# Altium PCB ESP32-2-PCB-Layout.PcbDoc
Units mil, origin at the board's own origin, x right, y up, seen from the top; angles counter-clockwise.
Board outline 4000 x 1730 mil, 2 copper layers (Top Layer, Bottom Layer), stack 61.811 mil thick; 25 components, 10 nets, 95 pads, 18 vias.
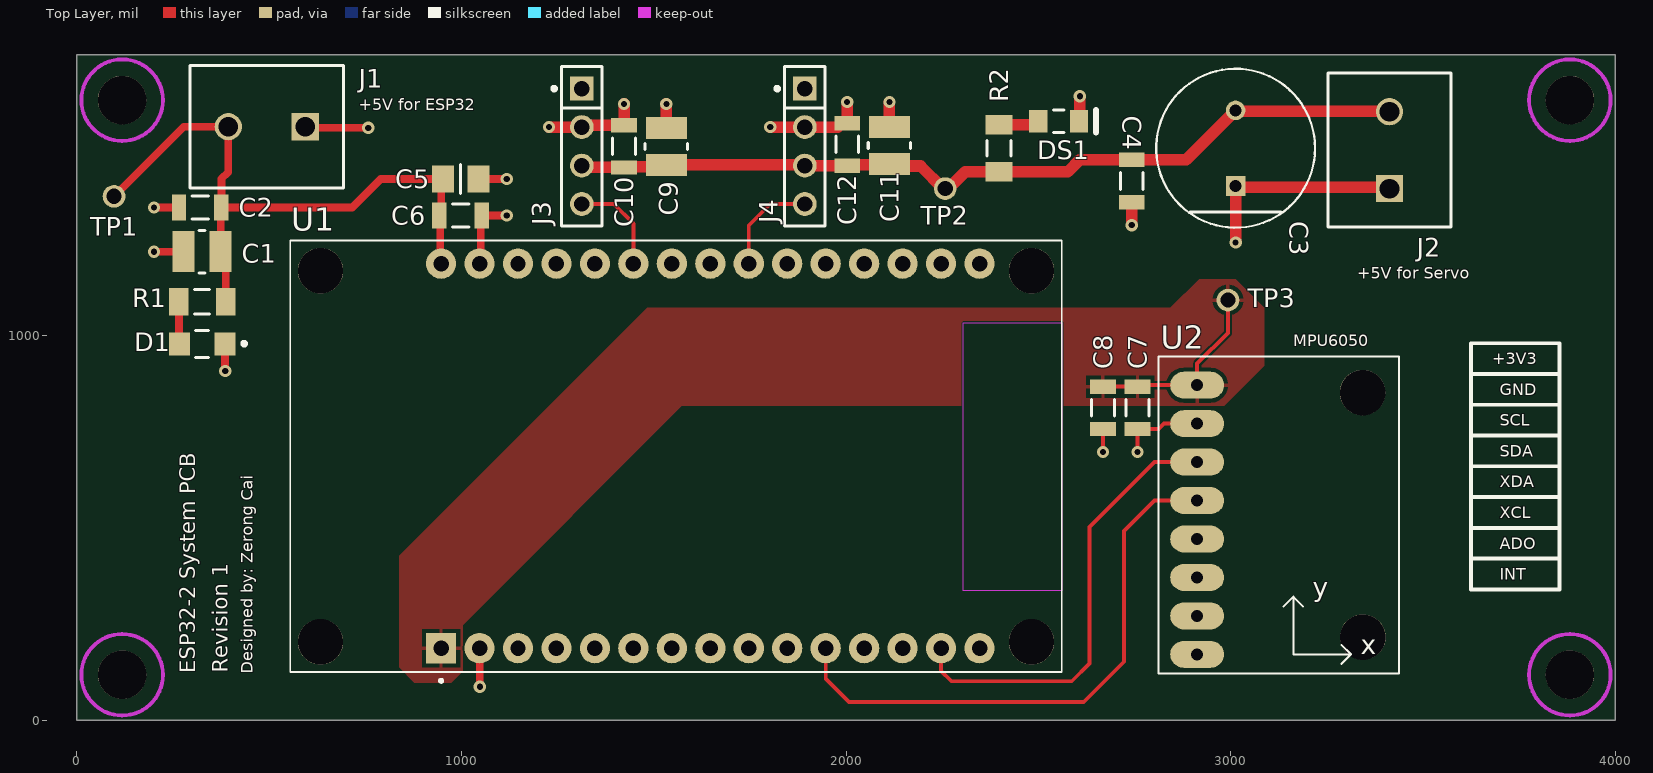
[diagram p0: Top Layer view]
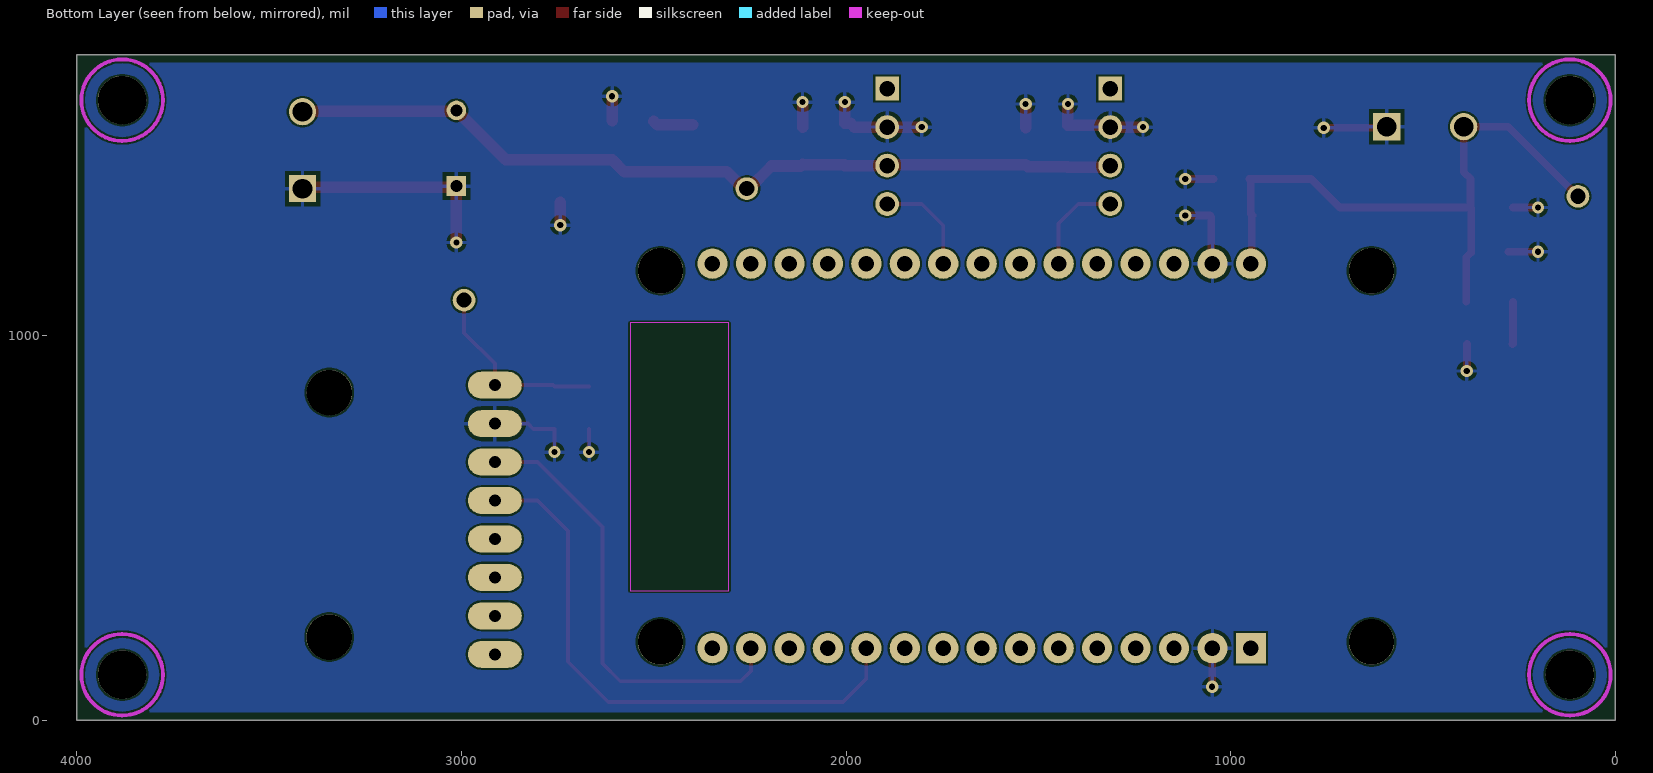
[diagram p1: Bottom Layer view, seen from below]
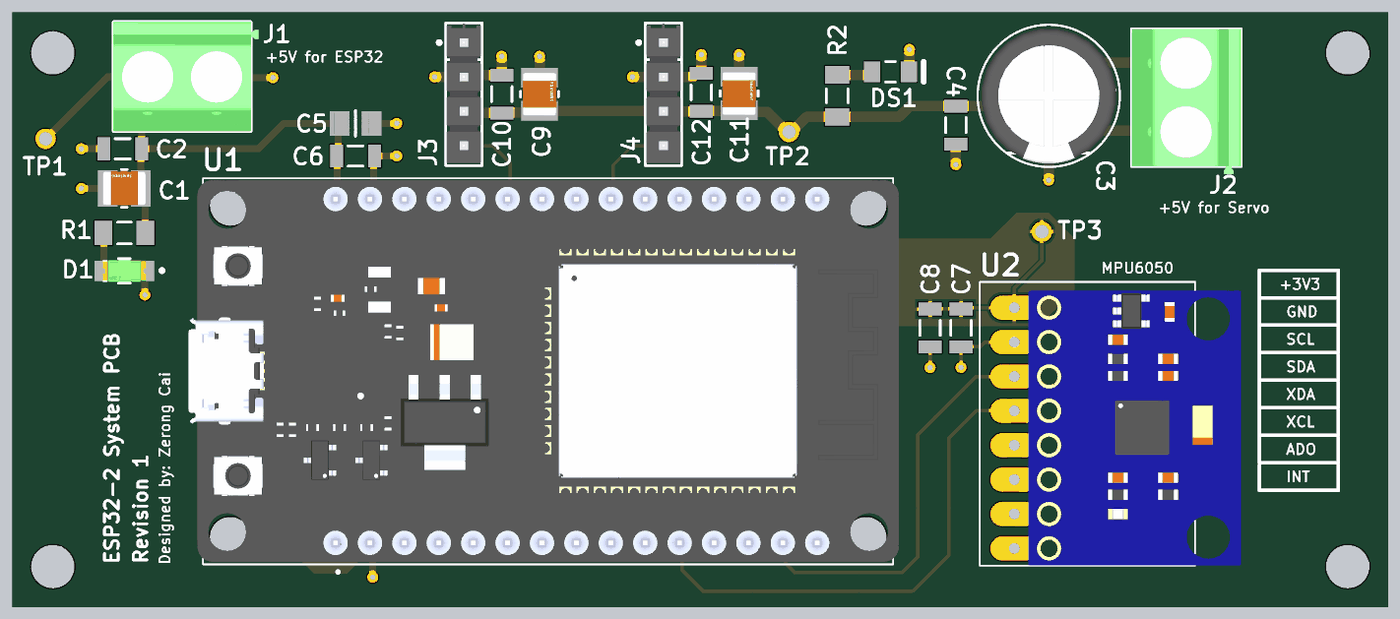
[diagram p2: 3D render of the assembled board from above, using the file's embedded part models]

## Layer stack, top to bottom
Top Solder: solder mask 0.394, Solder Resist, Dk 3.5
Top Layer: signal copper 1.378
Dielectric 1: dielectric 59.055, FR-4, Dk 4.8
Bottom Layer: signal copper 1.378
Bottom Solder: solder mask 0.394, Solder Resist, Dk 3.5

## Board outline
0,0 0,1730 4000,1730 4000,0

## Design rules (kind name [scope] priority, off if disabled: settings)
BoardOutlineClearance [All] p1: gap=20 ignorepadtopadclearanceinfootprint=FALSE except(0: Arc-SplitContinuation Track-SplitContinuation SMDPad-SplitContinuation THPad-SplitContinuation Via-SplitContinuation Fill-SplitContinuation Poly-SplitContinuation Region-SplitContinuation Text-SplitContinuation)
Clearance [All] p1: gap=5 ignorepadtopadclearanceinfootprint=FALSE except(0: Arc-Hole Track-Hole SMDPad-Hole THPad-Hole Via-Hole Fill-Hole Poly-Hole Region-Hole Text-Hole)
HoleSize [All] p1: absolutevalues=TRUE maxlimit=200 minlimit=1 maxpercent=80.000 minpercent=20.000
PolygonConnect [All] p1: connectstyle=Relief reliefconductorwidth=10 reliefentries=4 polygonreliefangle="90 Angle" airgapwidth=10
RoutingVias [All] p1: holewidth=12 width=24 viastyle="Through Hole" minholewidth=12 minwidth=24 maxholewidth=16 maxwidth=32
SilkToSolderMaskClearance [IsPad] p1: minsilkscreentomaskgap=5 clearancetoexposedcopper=TRUE
SolderMaskExpansion [All] p1: expansion=4 istentingtop=FALSE
Width [All] p1: maxlimit=100 minlimit=10 preferedwidth=10
28 further rules are at their usual default settings.

## Classes and differential pairs
component class Input-Connectors: C1 C2 C3 C4 D1 DS1 J1 R1 R2 TP1 TP2
component class ESP32-2-System: C5 C6 C7 C8 C9 C10 C11 C12 J3 J4 TP3 U1 U2

## Components (designator, comment, footprint, x,y, rotation, side; value= is the part's Value field where it differs from the comment)
C1 "47uF" FP-CL32-IPC_C 326,1218 r180 top
C2 "100nF" CAPC1206(3216)170_L 321,1333 r0 top
C3 "470u" FP-RAD-TH-D_10_0_5-L_12_5-MFG 3013,1487 r90 top
C4 "100nF" CAPC1206(3216)170_L 2743,1401.88 r90 top
C5 "10uf" FP-GCJ31C-0_3-IPC_C 998,1407 r0 top
C6 "100nF" CAPC1206(3216)170_L 998,1312 r180 top
C7 "100nF" CAPC1206(3216)170_L 2758,812.12 r90 top
C8 "1uF" CAPC1206(3216)170_L 2668,812 r90 top
C9 "47uF" FP-CL32-IPC_C 1533,1492 r90 top
C10 "100nF" CAPC1206(3216)170_L 1423,1492.12 r270 top
C11 "47uF" FP-CL32-IPC_C 2113,1493.76 r90 top
C12 "100nF" CAPC1206(3216)170_L 2003,1497 r270 top
D1 "598-8270-107F" FP-598-8270-107F-MFG 326,978 r180 top
DS1 "SML-LX1206IC-TR" LUMX-SML-LX1206IC_V 2553,1557 r0 top
J1 "1729128" PHOE-1729128-2_V 494,1543 r180 top
J2 "1729128" PHOE-1729128-2_V 3413,1482 r90 top
J3 "TSW-104-23-T-S" FP-TSW-104-23-T-S-MFG 1313,1492 r270 top
J4 "TSW-104-23-T-S" FP-TSW-104-23-T-S-MFG 1893,1492 r270 top
R1 "1k" RESC3216X60X45ML10T20 326,1088 r180 top
R2 "1k" RESC3216X60X45ML10T20 2398,1487 r90 top
TP1 "Test Point" "Test Point" 97,1362 r0 top
TP2 "Test Point" "Test Point" 2258,1382 r90 top
TP3 "Test Point" "Test Point" 2993,1092 r90 top
U1 "ESP32-DEVKIT-V1" MODULE_ESP32_DEVKIT_V1 1558,687 r90 top
U2 "GY-521" GY-521 3263,521 r0 top

## Footprints (in the part's own frame and the unit in brackets; to place one, negate y for a bottom-side part, rotate by r counter-clockwise, add the part's x,y. Pads: shape width x height; smd on the part's side, far side on the other; paste and mask are expansions set on the pad)
CAPC1206(3216)170_L [mm] "Chip Capacitor, Body 3.2x1.6mm, Height 1.7mm, IPC High Density"
  rect 0.95x1.7 smd: 1(-1.4,0) 2(1.4,0)
  silkscreen extent -0.55,-0.75 0.55,0.75, body extent -1.7,-0.9 1.7,0.9, height 1.7
FP-598-8270-107F-MFG [mm]
  rect 1.4x1.5 smd paste+0 mask+0: 1(-1.5,0) 2(1.5,0)
  silkscreen extent -2.9,-0.9 0.43,0.9, body extent -2.3,-1 2.3,1, height 0.25
FP-CL32-IPC_C [mil]
  rect 57.19x106.46 smd paste+0 mask+0: 1(-48.24,0) 2(48.24,0)
  silkscreen extent -8,-55 8,55, body extent -81,-59 81,59, height 10
FP-GCJ31C-0_3-IPC_C [mil]
  rect 57.21x71.03 smd paste+0 mask+0: 1(-46.28,0) 2(46.28,0)
  silkscreen extent 0,-37 0,37, body extent -79,-41 79,41, height 10
FP-RAD-TH-D_10_0_5-L_12_5-MFG [mm]
  rect 1.3x1.3 hole 0.8 paste-2539.97 mask+0: 1(-2.5,0)
  round 1.3 hole 0.8 paste-2539.97 mask+0: 2(2.5,0)
  silkscreen extent -5.25,-5.25 5.25,5.25, body extent -5.35,-5.35 5.35,5.35, height 0.25
FP-TSW-104-23-T-S-MFG [mm]
  rect 1.57x1.57 hole 1.02 paste-2539.97 mask+0: 1(-3.81,0)
  round 1.57 hole 1.02 paste-2539.97 mask+0: 2(-1.27,0) 3(1.27,0) 4(3.81,0)
  silkscreen extent -5.27,-1.95 5.27,1.34, body extent -5.37,-1.44 5.37,1.44, height 0.25
GY-521 [mm]
  oval 3.556x1.778 hole 0.8: ADO(-8.89,-6.35) GND(-8.89,6.35) INT(-8.89,-8.89) SCL(-8.89,3.81) SDA(-8.89,1.27) VCC(-8.89,8.89) XCL(-8.89,-3.81) XDA(-8.89,-1.27)
  round 3 hole 3 unplated: ""(2.04,8.4) ""(2.05,-7.75)
  silkscreen extent -11.43,-10.16 4.44,10.79, body extent -7.85,-10.15 7.85,10.15, height 3
LUMX-SML-LX1206IC_V [mm] "SMD, 2-Leads, Body 3.2x1.5mm"
  rect 1.2x1.5 smd: 1(-1.35,0) 2(1.35,0)
  silkscreen extent -0.35,-0.75 2.45,0.75, body extent -1.6,-0.8 1.6,0.8, height 1.1
MODULE_ESP32_DEVKIT_V1 [mm]
  rect 2x2 / inner round 2 / far side rect 2x2 hole 1.02: 1(-12.7,15.515)
  round 2 hole 1.02: 2(-12.7,12.975) 3(-12.7,10.435) 4(-12.7,7.895) 5(-12.7,5.355) 6(-12.7,2.815) 7(-12.7,0.275) 8(-12.7,-2.265) 9(-12.7,-4.805) 10(-12.7,-7.345) 11(-12.7,-9.885) 12(-12.7,-12.425) 13(-12.7,-14.965) 14(-12.7,-17.505) 15(-12.7,-20.045) 16(12.7,-20.045) 17(12.7,-17.505) 18(12.7,-14.965) 19(12.7,-12.425) 20(12.7,-9.885) 21(12.7,-7.345) 22(12.7,-4.805) 23(12.7,-2.265) 24(12.7,0.275) 25(12.7,2.815) 26(12.7,5.355) 27(12.7,7.895) 28(12.7,10.435) 29(12.7,12.975) 30(12.7,15.515)
  round 3 hole 3 unplated: ""(-12.28,23.475) ""(-12.28,-23.475) ""(12.23,23.475) ""(12.23,-23.475)
  Keep-Out Layer region: 8.78,-25.475 -8.91,-25.475 -8.91,-18.985 8.78,-18.985
  Keep-Out Layer region: 8.78,-25.475 -8.91,-25.475 -8.91,-18.985 8.78,-18.985
  silkscreen extent -14.95,-25.48 14.23,25.48, body extent -14.1,-25.9 14.1,26.55, height 7.05
PHOE-1729128-2_V [mm] "Receptacle, 2-Leads, Body 8.1x10.16mm, Pitch 5.08mm"
  rect 1.8x1.8 hole 1.3: 1(-2.54,0)
  round 1.8 hole 1.3: 2(2.54,0)
  silkscreen extent -5.08,-4.05 5.08,4.05, body extent -5.65,-4.05 5.08,4.05, height 10.01
RESC3216X60X45ML10T20 [mm] "Chip Resistor, 2-Leads, Body 3.20x1.60mm, IPC Low Density"
  rect 1.3x1.8 smd: 1(-1.55,0) 2(1.55,0)
  silkscreen extent -0.5,-0.8 0.5,0.8, body extent -1.65,-0.85 1.65,0.85, height 0.6
"Test Point" [mm] "Test Point"
  round 1.5 hole 1: 1(0,0)

## Part data
C1 C9 C11: library part CMP-13271-000441-1, "Cap Ceramic 47uF 16V X5R ±20% SMD 1210 +85°C Embossed T/R; CL32A476MOJNNWE"
C2 C4 C6 C7 C10 C12: library part CMP-1037-04201-1, "CAP 100nF 50V ±10% 1206 (3216 Metric) Thickness 1.7mm SMD", Case-EIA=1206, Case-Metric=3216, Rated Voltage="50 V", Tolerance=Â±10%, Max Thickness="1.7 mm", Technology=SMT
C3: library part CMP-05427-001980-1, "Aluminum Electrolytic Capacitors (Radial Lead Type) 470uF ±20% 16V", Capacitance=470uF, Case/Package=Radial, ESR (Equivalent Series Resistance)=38mR, Max Operating Temperature=105°C, Min Operating Temperature=-40°C, Package Quantity=500, Ripple Current=1.29A, Tolerance=20%, Voltage Rating=16V, Diameter=10mm, Height=12.5mm, Height - Seated (Max)=0.551inch, Impedance=38mR, Lead Diameter=0.6mm, Lead Free="Lead Free", Lead Pitch=5mm, Length=12.5mm, Life (Hours)=4000Hour, Mount="Through Hole", Packaging="Tape and Reel", Radiation Hardening=No, RoHS Compliant=Yes, Series=FM, Termination=Radial, Voltage Rating (DC)=16V
C5: library part CMP-06035-052008-1, "Cap Ceramic 10uF 10V X7R 10% Pad SMD 1206 Soft Termination  +125°C Automotive T/R", Capacitance=10uF, Case Code (Imperial)=1206, Case Code (Metric)=3216, Dielectric=X7R, Max Operating Temperature=125°C, Min Operating Temperature=-55°C, Package Quantity=2000, Ratings=AEC-Q200, Tolerance=10%, Voltage=10V, Case/Package=1206, Depth=1.6mm, Features="Soft Termination", Height=1.6mm, Lead Free="Lead Free", Length=3.2mm, Mount="Surface Mount", Packaging="Tape and Reel", Termination=SMD/SMT, Thickness=0.063inch, Voltage Rating=10V, Voltage Rating (DC)=10V, Width=0.063inch
C8: library part CMP-1037-04687-1, "CAP 1uF 16V ±10% 1206 (3216 Metric) Thickness 1.7mm SMD", Case-EIA=1206, Case-Metric=3216, Rated Voltage="16 V", Tolerance=Â±10%, Max Thickness="1.7 mm", Technology=SMT
D1: library part CMP-15384-000006-1, "SM LED 1206 ALINGAP G 7 REEL", Case Code (Imperial)=1206, Case Code (Metric)=3216, Color=Green, Forward Current=20mA, Forward Voltage=2V, Lens Color=Colorless, Max Operating Temperature=85°C, Min Operating Temperature=-30°C, Package Quantity=3000, Power Dissipation=60mW, Reverse Voltage=5V, Case/Package=1206, Depth=1.6mm, Dominant Wavelength=570nm, Height=0.7mm, Illumination Color=Green, Lead Free="Lead Free", Length=3.2mm, Lens Size=1.6mm, Lens Style=Flat, Lens Transparency=Clear, Luminous Intensity=20mcd, Mount="Surface Mount", Number of Elements=1, Number of LEDs=1, Number of Pins=2, Packaging="Tape and Reel", Radiation Hardening=No, REACH SVHC="No SVHC", RoHS Compliant=Yes, Series=598, Test Current=20mA, Viewing Angle=140°, Wavelength=570nm, Width=1.6mm
DS1: library part CMP-2000-07123-1, "LED Red, 65 mW, -40 to 85 degC, 2-Pin SMD, RoHS, Tape and Reel", Color=Red, Manufacturer=Lumex, Operating Temperature=-25to85C, Package Description="2-Pin Surface Mount Device, Body 3.2 x 1.5 mm", Package Reference=SML-LX1206IC, Reverse Voltage=5(Min)V, Supplier_Package=SMD, Datasheet URL=http://www.lumex.com/content/files/ProductAttachment/SML-LX1206IC-TR.pdf, Datasheet Version="Rev. J, 08/2012", Dimension=3.2x1.6x1.1mm, Dominant Wavelength=N/A, ECCN=EAR99, Family=SML-LX1206IC, HTS=8541402000, Intensity=6mcd, LED Material=GaAsP, Lens Appearance=ColorlessNonDiffused, Lens Dimensions=2x1.6x0.5mm, Manufacturer URL=http://www.lumexinstruments.com/, Mounting=SurfaceMount, Mounting Technology=SurfaceMount, Number of LEDs=1, Packaging=TapeandReel, Part No=SML-LX1206IC-TR, Peak Wavelength=635nm, Pin_Count=2, RoHS=Unknown, Supplier=Lumex, Supplier Standard Pack=3,000, Type=Uni-Color, Viewing Angle=160
J1 J2: library part CMP-2000-05815-1, "PCB Terminal Block, 13.5 A, 400 V, 2-Pin THD, RoHS, Bulk", Current Rating=13500mA, Manufacturer="Phoenix Contact", Package Description="2-Pin Through Hole Device, Body 8.1 x 10.16 mm, Pitch 5.08 mm", Package Reference=1729128-2, Package Version=03/2015, Voltage Rating=400V, Datasheet URL=https://datasheet.ciiva.com/16046/1729128-16046181.pdf, Datasheet Version=12/2013, Manufacturer URL=http://www.phoenixcontact.com/, Mounting Technology=ThroughHole, No. of Positions=2, No. of Rows=1, Orientation=Horizontal, Package URL=https://www.phoenixcontact.com/online/portal/pi/pxc/product_detail_page/!ut/p/b1/3VdJjqNKFDxLH8AFycySyWY2ozFsEPOMMQaDOX1XedGL_1Vdm5YXJleknhSKeBkvI6EA8ncAo3AYoDhBQGco6KN7VURTdemj9us_IEKEZo_YHiPAEWEFmDGOHMORkqKYCORBZxgL7ZoaZYcbFFUZ3fqxSY6GOuxydWUuHqz1ynmMFygu583Bob0Ewr6Sd_l-5m-kAueHiB0jpRwZwe58wwtkpxtMYd_LmGcDRU02dRNEyWt6Y2ti5pSyJ_reIkzIulrqApdnbT11V5jnCKbYNCvhEM1MCpPByat_X379-iThf08CI5GfOPqfBeS3BRoBOdD55AKVv0iLwCMq-2BrzXWSGRH7pUGD9uwXQjiph3xL0DKQwdGa0JImiIOmBNOestqgwTHSSs2oOep-78apyXQBvNi8ZLaFjvjWvcaUEBu0MC6Wbe-d6mB0FAebo2lUWinqYaZs5DAYzV0RP9yitUjnGJ0iI9xhZkT42OCQNUJJhkgWINNQLP2JFP6OpMg3JCVg70jqHT0lvKOnhHf0lPuOnnLf0VPuWx6_dxwUIvwk5WMkT0kLL1mh61l2yZVSzG3pYV_bqo-mj6uMKwKwdnnW8Jh5RTOJzMOA5c-eJDaZQw4mTMPH02PvS_ZAqNVjVTo2WyYLkwH_KU1mmmG5kjRhDqPXLwwVHvVOjCM60-fpXvTDfMGW1PVFVS1r4e4yVDk4ZdNbkUHvqPqQSeian4UD39fNKmachqdJ1NJbyk8rXT9mXTvPk3oE5meulKGgiruPJek-4I9hTT6G8ZLOyRSm2RRVbThERQad5OS28hdt4YW4vG0stgYYzsWsK4_7y6DZMjJSCqri1kyiZR5vD7pwIrNR7QwPHTcLTI5qT7eRlpHrdGiupYlqQDJ7zy_CND8fWWBoLRXxk1RVcXiBQwbTD4Xi7KL-FuO94t9xaqweXzH, Packing=Bulk, PartNumber=1729128, Pitch=5.08mm, RoHS=TRUE
J3 J4: library part CMP-02766-001388-1, "CONN HEADER VERT 4POS 2.54MM", Color=Black, Max Current Rating=7.6A, Max Operating Temperature=105°C, Max Voltage Rating (AC)=550V, Min Operating Temperature=-55°C, Package Quantity=1, Connector Type="Male Pin", Contact Material=Bronze, Contact Mating Length=0.23inch, Contact Plating=Tin, Contact Type="Male Pin", Depth=2.54mm, Gender=Male, Housing Color=Black, Housing Material=Polyester, Lead Free="Lead Free", Length=10.16mm, Mount="Through Hole", Number of Contacts=4, Number of Positions=4, Number of Rows=1, Orientation=Straight, Packaging=Bulk, Pitch=2.54mm, Radiation Hardening=No, REACH SVHC="No SVHC", RoHS Compliant=Yes, Series=TSW, Termination=Solder, Width=2.54mm
R1 R2: library part CMP-2003-01869-1, Manufacturer="Vishay Dale", Part Number=CRCW12061K00JNTA
TP1 TP2 TP3: library part CMP-00030-00006-7
U1: library part CMP-008-000000-1, "Dual core, Wi-Fi: 2.4 GHz up to 150 Mbits/s,BLE (Bluetooth Low Energy) and legacy Bluetooth, 32 bits, Up to 240 MHz", Package=None, Check_prices=https://www.snapeda.com/parts/ESP32-DEVKIT-V1/Do+it/view-part/?ref=eda, Component Type=Standard, Design Item ID=ESP32-DEVKIT-V1, MF="Do it", MP=ESP32-DEVKIT-V1, Pin Count=30, SnapEDA_Link=https://www.snapeda.com/parts/ESP32-DEVKIT-V1/Do+it/view-part/?ref=snap, Source=ESP32-DEVKIT-V1.SchLib
U2: library part CMP-010-000000-1, "Triple Axis Accelerometer Gyro Breakout", Package=Package, Check_prices=https://www.snapeda.com/parts/GY-521/GODREAM+FORDREAM+CO.%252C+LIMITED/view-part/?ref=eda, Component Type=Standard, Design Item ID=GY-521, MF="GODREAM FORDREAM CO., LIMITED", MP=GY-521, Pin Count=8, SnapEDA_Link=https://www.snapeda.com/parts/GY-521/GODREAM+FORDREAM+CO.%252C+LIMITED/view-part/?ref=snap, Source=GY-521.SchLib

## Free pads (board coordinates)
  round 125.98 hole 125.98 unplated: MH1(118,1612) MH2(3882,1612) MH3(118,118) MH4(3882,118)

## Via types
v1: diameter 32, hole 16, Top Layer to Bottom Layer, 18 vias

## Nets (pads, with @x,y where several pads share a name; then routed paths per layer and width w, separated by ;. In a path a pad name is that pad's centre, name@x,y a point inside that pad or via, vN(x,y) a via of type N, cw(c..) or ccw(c..) an arc to the next point about the centre after c; other vN are vias at no path point)
+3V3: C7.2 C8.2 TP3.1 U1.1 U2.VCC | length 500.7
  Top Layer w10: C8.2 2668.12,867.24 C7.2 2761.76,871 U2.VCC 2913,927 2993,1007 TP3.1
+5V_ESP32: C1.1 C2.2 C5.1 C6.2 J1.2 R1.1 TP1.1 U1.30 | length 1664
  Top Layer w20: TP1.1 278,1543 J1.2 394,1425 376.12,1407.12 C2.2 ; C1.1@374.24,1216.12 387.02,1203.33 R1.1 ; C1.1 374.24,1331.12 C2.2 ; U1.30 945.03,1189.15 945.03,1309.85 C6.2 947.3,1316.42 C5.1@947.3,1402.58 ; C5.1 790,1407 716,1333 C2.2
+5V_SERVO: C3.2 C4.2 C9.1 C10.2 C11.1 C12.2 J2.2 J3.3 J4.3 R2.1 TP2.1 | length 2216.7
  Top Layer w30: J3.3 1318,1437 C10.2 1424.61,1438.61 1527.85,1438.61 C9.1 J4.3@1891.24,1443.76 ; J4.3 1893.06,1441.94 2002.94,1441.94 C12.2 2004.82,1443.7 2111.18,1443.7 C11.1 2117.72,1440.8 2193.66,1440.8 2252.46,1382 2265.86,1382 2309.84,1425.98 R2.1 2576.98,1425.98 2608,1457 C4.2 2884.57,1457 C3.2 3014.71,1583.71 3411.29,1583.71 J2.2
GND: C1.2 C2.1 C3.1 C4.1 C5.2 C6.1 C7.1 C8.1 C9.2 C10.1 C11.2 C12.1 D1.1 DS1.2 J1.1 J2.1 J3.2 J4.2 U1.2 U1.29 U2.GND | length 2345
  Top Layer w10: v1(2668,697) C8.1 ; v1(2758,697) C7.1 2813,757 2827,771 U2.GND
  Top Layer w20: v1(201,1218) C1.2 ; v1(201,1333) C2.1 ; D1.1 385.53,977.53 385.53,908.47 v1(386,908) ; J1.1 597,1540 v1(758,1540) ; J1.1@597,1561 J1.1@604.5,1553.5 ; C5.2 v1(1118,1407) ; U1.2 1047.59,186.59 1047.59,87.41 v1(1048,87) ; U1.29 1050.15,1189.97 1050.15,1309.03 C6.1 v1(1118,1312)
  Top Layer w30: v1(1228,1542) J3.2 1318.24,1547.24 C10.1 v1(1423,1602) ; C9.2 v1(1533,1602) ; v1(1803,1542) J4.2 1978.12,1542 1988.24,1552.12 C12.1 v1(2003,1607) ; C11.2 v1(2113,1607) ; DS1.2@2608,1558.85 v1(2608,1622) ; v1(2743,1287) C4.1 ; v1(3013,1242) C3.1 3016.29,1385.29 3409.71,1385.29 J2.1
NetD1_2: D1.2 R1.2 | length 110.8
  Top Layer w20: R1.2 265.96,1087.02 265.96,978.98 D1.2
NetDS1_1: DS1.1 R2.2 | length 105.8
  Top Layer w30: R2.2 2491.23,1548.02 2499.85,1556.65 DS1.1
SCL: U1.14 U2.SCL | length 1180
  Top Layer w10: U1.14 2247.17,128.17 2274.35,101 2587,101 2633,147 2633,502 2802,671 U2.SCL
SDA: U1.11 U2.SDA | length 1486.4
  Top Layer w10: U1.11 1947.17,107.83 2008,47 2618,47 2723,152 2723,492 2802,571 U2.SDA
SERVO-1: J3.4 U1.25 | length 259.2
  Top Layer w10: J3.4 1396,1342 1447.17,1290.83 U1.25
SERVO-2: J4.4 U1.22 | length 268.1
  Top Layer w10: U1.22 1747.17,1286.17 1803,1342 J4.4
pads on no net: J3.1 J4.1 U1. U1.3 U1.4 U1.5 U1.6 U1.7 U1.8 U1.9 U1.10 U1.12 U1.13 U1.15 U1.16 U1.17 U1.18 U1.19 U1.20 U1.21 U1.23 U1.24 U1.26 U1.27 U1.28 U2. U2.ADO U2.INT U2.XCL U2.XDA

## Polygon pours and split planes (outlines as drawn)
GND on Bottom Layer "NONET_L-01_P-001" (solid, pour order 4): 0,1730 0,0 4000,0 4000,1730
+3V3 on Top Layer "NONET_L-01_P-001" (solid, pour order 1): 3013,1147 3088,1072 3088,922 2983,817 1573,817 1003,247 1003,127 973,97 878,97 838,137 838,427 1483,1072 2843,1072 2918,1147

## Keep-outs
Keep-Out Layer:
  circle w10: c3882,118 r106
  circle w10: c3882,1612 r106
  circle w10: c118,118 r106
  circle w10: c118,1612 r106.04

## Silkscreen, mask and mechanical layers (free items; w line width, h text height)
Top Overlay:
  lines w10: 3625,420 3855,420 ; 3625,500 3855,500 ; 3625,580 3855,580 ; 3625,660 3855,660 ; 3625,740 3855,740 ; 3625,820 3855,820 ; 3625,900 3855,900 ; 3625,340 3855,340 3855,980 3625,980 3625,960 3625,340
  text "+5V for ESP32" at 733,1586 h30
  text "+5V for Servo" at 3329,1148 h30
  text "MPU6050" at 3163,972 h30
  text "+3V3" at 3680,925 h30
  text "GND" at 3700,845 h30
  text "SCL" at 3700,765 h30
  text "SDA" at 3700,685 h30
  text "XDA" at 3700,605 h30
  text "XCL" at 3700,525 h30
  text "ADO" at 3700,445 h30
  text "INT" at 3700,365 h30
  text "Revision 1" at 392,123 h40 r90
  text "ESP32-2 System PCB" at 308.67,122 h40 r90
  text "Designed by: Zerong Cai" at 458,121 h30 r90
Mechanical 1:
  the board outline again, w10

## Text inside footprints (layer, text, board x,y; h text height)
U2: Top Overlay "y" at 3213,321 h50; Top Overlay "x" at 3338,171 h50